# KiCad board JL_checkpoint.kicad_pcb (continued)
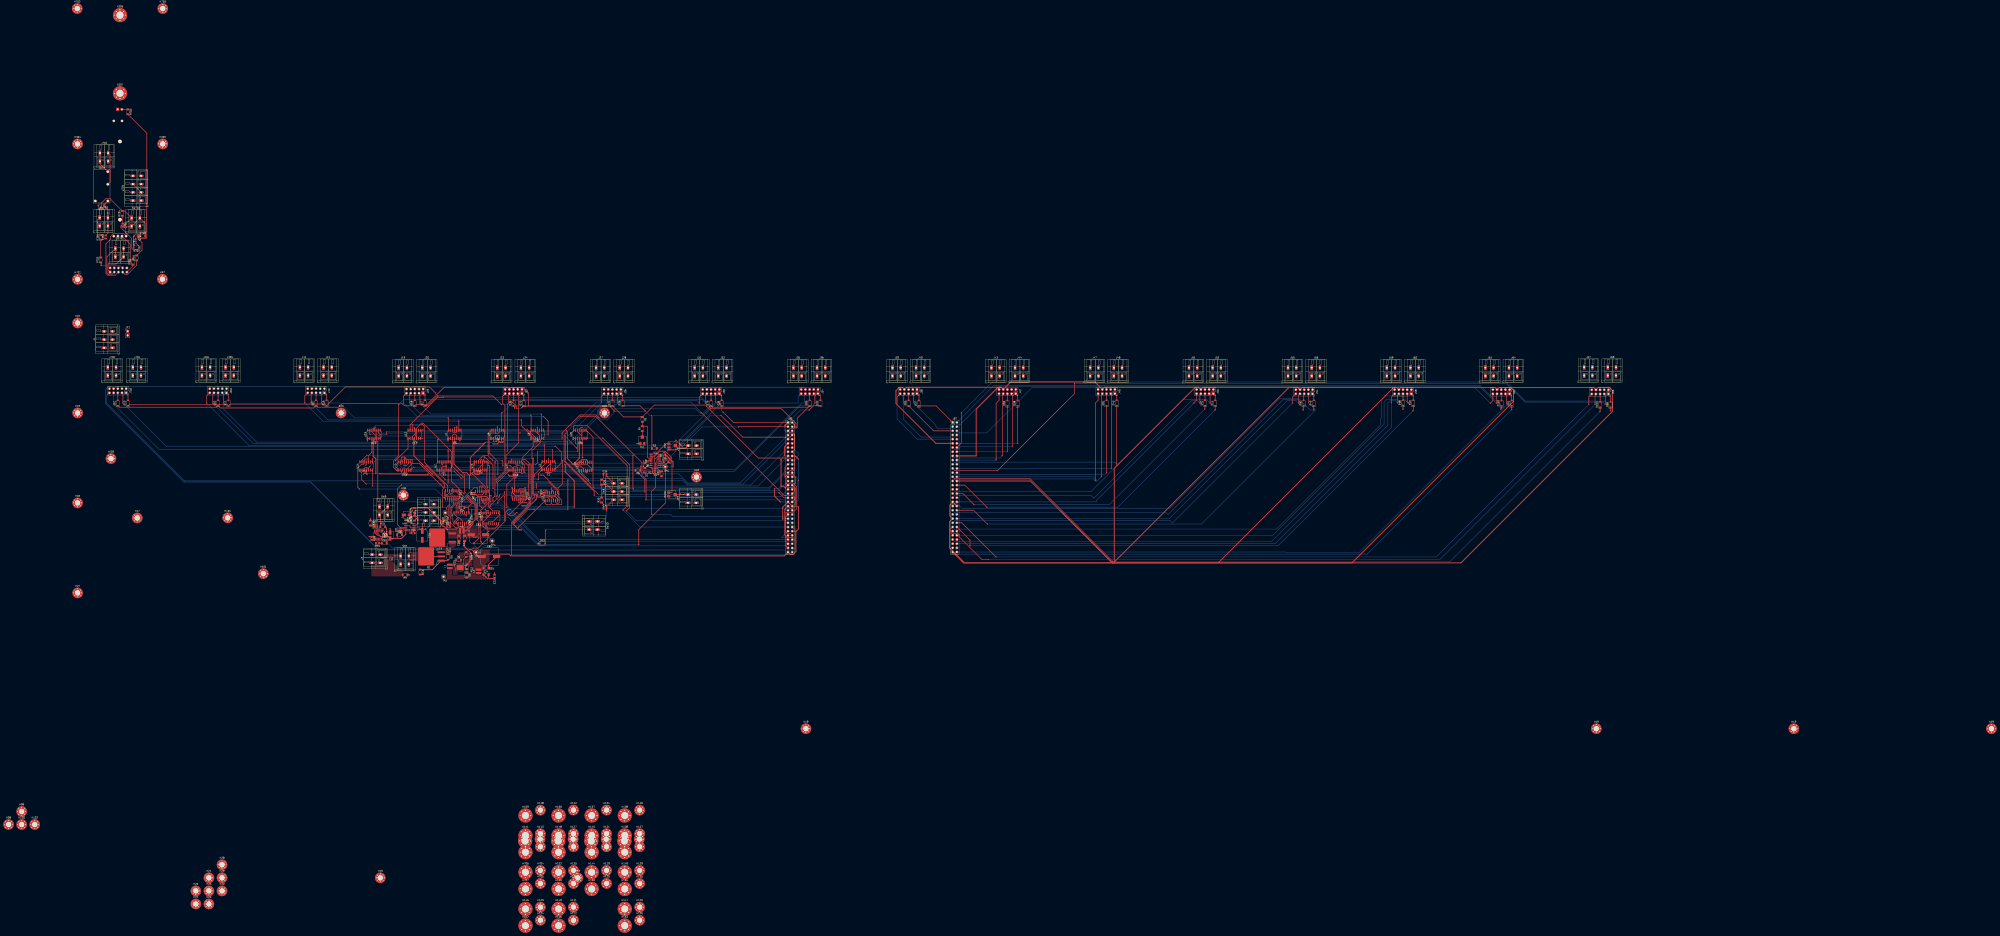
[diagram p0: board, top side]
## Placement (name value [footprint] x y rotation side) (continued)

## Library data of the parts
C1-C15 C17-C20 C22 C34 C36-C39 C82 C87-C89 = -: Description: Unpolarized capacitor
C16 = -: Description: Unpolarized capacitor; Digi-Key_PN: 1276-1079-1-ND; Manufacturer_PN: CL31A106KQHNNNE
C21 = -: Description: Unpolarized capacitor; Digi-Key_PN: 478-1542-1-ND; Manufacturer_PN: 12065C103KAT2A
C23 = -: Description: Unpolarized capacitor; Digi-Key_PN: 1276-2728-1-ND; Manufacturer_PN: CL31A226MOCLNNC
C24-C27 = -: Description: Unpolarized capacitor; Digi-Key_PN: 1276-1017-1-ND; Manufacturer_PN: CL31B104KBCNNNC
C35 C83-C86 = -: Description: Polarized capacitor
C701-C703 = -: Description: Unpolarized capacitor; Channel: 0
D1-D3 D10 D11 D16 D17 D23 D25 D26 D31 D32 D37 D38 D43 D44 D49 D50 D55 D56 D61 D62 D67 D68 D73 D74 D79 D80 D85 D86 D91 D92 D97 D98 D103 D104 = -: Description: Diode; Sim.Pins: 1=K 2=A
D4 = -: Description: ESD Protection Diode, SOD-523
D5 = -: Description: Schottky diode; Digi-Key_PN: BZT52C10-TPMSCT-ND; Manufacturer_PN: BZT52C10-TP
D6 = -: Description: Schottky diode; Digi-Key_PN: B230AF-13DICT-ND; Manufacturer_PN: B230AF-13
D7 D8 = -: Description: Light emitting diode; Digi-Key_PN: 160-1406-1-ND; Manufacturer_PN: LTST-C150KSKT
D21 D22 = -: Description: Light emitting diode
D701 D703 D704 = -: Description: Diode; Channel: 0; Sim.Pins: 1=K 2=A
D702 = -: Description: Light emitting diode; Channel: 0
H17 H18 H18#2 H18#3 H19 H19#2-H19#6 H20-H23 H23#2 H23#3 H24-H30 H97-H104 = -: Description: Mounting Hole without connection
H107 H108 H138 H154 = -: Description: Mounting Hole without connection; Channel: 2
H111 H112 H140 H156 = -: Description: Mounting Hole without connection; Channel: 3
H113 H114 H141 H157 = -: Description: Mounting Hole without connection; Channel: 4
H115 H116 H142 H158 = -: Description: Mounting Hole without connection; Channel: 5
H117 H118 H143 H159 = -: Description: Mounting Hole without connection; Channel: 6
H119 H120 H144 H160 = -: Description: Mounting Hole without connection; Channel: 7
H121 H122 H145 H161 = -: Description: Mounting Hole without connection; Channel: 8
H123 H124 H146 H162 = -: Description: Mounting Hole without connection; Channel: 9
H125 H126 H147 H163 = -: Description: Mounting Hole without connection; Channel: 10
H127 H128 H148 H164 = -: Description: Mounting Hole without connection; Channel: 11
H129 H130 H149 H165 = -: Description: Mounting Hole without connection; Channel: 12
H131 H132 H150 H166 = -: Description: Mounting Hole without connection; Channel: 13
H133 H134 H151 H167 = -: Description: Mounting Hole without connection; Channel: 14
H135 H136 H152 H168 = -: Description: Mounting Hole without connection; Channel: 15
H304-H307 = -: Description: Mounting Hole without connection; Channel: 1
H701-H707 = -: Description: Mounting Hole without connection; Channel: 0
J1 J69 = -: Description: Audio Jack, 2 Poles (Mono / TS)
J3 = -: Description: Generic screw terminal, single row, 01x02, script generated (kicad-library-utils/schlib/autogen/connector/)
J4 = -: Description: Generic screw terminal, single row, 01x03, script generated (kicad-library-utils/schlib/autogen/connector/)
J10 = -: Description: Generic connector, single row, 01x10, script generated (kicad-library-utils/schlib/autogen/connector/); Channel: 2
J11 J12 = -: Description: Generic screw terminal, single row, 01x02, script generated (kicad-library-utils/schlib/autogen/connector/); Channel: 2
J18 = -: Description: Generic connector, single row, 01x10, script generated (kicad-library-utils/schlib/autogen/connector/); Channel: 3
J19 J20 = -: Description: Generic screw terminal, single row, 01x02, script generated (kicad-library-utils/schlib/autogen/connector/); Channel: 3
J22 = -: Description: Generic connector, single row, 01x10, script generated (kicad-library-utils/schlib/autogen/connector/); Channel: 4
J23 J24 = -: Description: Generic screw terminal, single row, 01x02, script generated (kicad-library-utils/schlib/autogen/connector/); Channel: 4
J26 = -: Description: Generic connector, single row, 01x10, script generated (kicad-library-utils/schlib/autogen/connector/); Channel: 5
J27 J28 = -: Description: Generic screw terminal, single row, 01x02, script generated (kicad-library-utils/schlib/autogen/connector/); Channel: 5
J30 = -: Description: Generic connector, single row, 01x10, script generated (kicad-library-utils/schlib/autogen/connector/); Channel: 6
J31 J32 = -: Description: Generic screw terminal, single row, 01x02, script generated (kicad-library-utils/schlib/autogen/connector/); Channel: 6
J34 = -: Description: Generic connector, single row, 01x10, script generated (kicad-library-utils/schlib/autogen/connector/); Channel: 7
J35 J36 = -: Description: Generic screw terminal, single row, 01x02, script generated (kicad-library-utils/schlib/autogen/connector/); Channel: 7
J38 = -: Description: Generic connector, single row, 01x10, script generated (kicad-library-utils/schlib/autogen/connector/); Channel: 8
J39 J40 = -: Description: Generic screw terminal, single row, 01x02, script generated (kicad-library-utils/schlib/autogen/connector/); Channel: 8
J42 = -: Description: Generic connector, single row, 01x10, script generated (kicad-library-utils/schlib/autogen/connector/); Channel: 9
J43 J44 = -: Description: Generic screw terminal, single row, 01x02, script generated (kicad-library-utils/schlib/autogen/connector/); Channel: 9
J46 = -: Description: Generic connector, single row, 01x10, script generated (kicad-library-utils/schlib/autogen/connector/); Channel: 10
J47 J48 = -: Description: Generic screw terminal, single row, 01x02, script generated (kicad-library-utils/schlib/autogen/connector/); Channel: 10
J50 = -: Description: Generic connector, single row, 01x10, script generated (kicad-library-utils/schlib/autogen/connector/); Channel: 11
J51 J52 = -: Description: Generic screw terminal, single row, 01x02, script generated (kicad-library-utils/schlib/autogen/connector/); Channel: 11
J54 = -: Description: Generic connector, single row, 01x10, script generated (kicad-library-utils/schlib/autogen/connector/); Channel: 12
J55 J56 = -: Description: Generic screw terminal, single row, 01x02, script generated (kicad-library-utils/schlib/autogen/connector/); Channel: 12
J58 = -: Description: Generic connector, single row, 01x10, script generated (kicad-library-utils/schlib/autogen/connector/); Channel: 13
J59 J60 = -: Description: Generic screw terminal, single row, 01x02, script generated (kicad-library-utils/schlib/autogen/connector/); Channel: 13
J62 = -: Description: Generic connector, single row, 01x10, script generated (kicad-library-utils/schlib/autogen/connector/); Channel: 14
J63 J64 = -: Description: Generic screw terminal, single row, 01x02, script generated (kicad-library-utils/schlib/autogen/connector/); Channel: 14
J66 = -: Description: Generic connector, single row, 01x10, script generated (kicad-library-utils/schlib/autogen/connector/); Channel: 15
J67 J68 = -: Description: Generic screw terminal, single row, 01x02, script generated (kicad-library-utils/schlib/autogen/connector/); Channel: 15
J85 J87 = -: Description: Generic connector, double row, 02x32, odd/even pin numbering scheme (row 1 odd numbers, row 2 even numbers), script generated (kicad-library-utils/schlib/autogen/connector/)
J302 = -: Description: Generic connector, single row, 01x10, script generated (kicad-library-utils/schlib/autogen/connector/); Channel: 1
J304 J305 = -: Description: Generic screw terminal, single row, 01x02, script generated (kicad-library-utils/schlib/autogen/connector/); Channel: 1
J701 J702 = -: Description: Generic connector, single row, 01x10, script generated (kicad-library-utils/schlib/autogen/connector/); Channel: 0
J703-J705 = -: Description: Generic screw terminal, single row, 01x02, script generated (kicad-library-utils/schlib/autogen/connector/); Channel: 0
JP1 = -: Description: Jumper, 2-pole, open
K701 U701 = -: Channel: 0
L1 = -: Description: Inductor; Digi-Key_PN: 445-2026-1-ND; Manufacturer_PN: SLF7045T-4R7M2R0-PF
L2 L3 = -: Description: Inductor; Digi-Key_PN: 308-0640CDMCCDS-R15MCCT-ND; Manufacturer_PN: 0640CDMCCDS-R15MC
Q1 = -: Digi-Key_PN: IRF5305STRLPBFCT-ND; Manufacturer_PN: IRF5305STRLPBF
Q701 = -: Description: 0.8A Ic, 45V Vce, NPN Transistor, SOT-23; Channel: 0
R1-R7 R11-R13 R26-R34 = -: Description: Resistor, US symbol
R9 = -: Description: Resistor; Digi-Key_PN: RMCF1206ZT0R00CT-ND; Manufacturer_PN: RMCF1206ZT0R00
R10 = -: Description: Resistor; Digi-Key_PN: 311-100KERCT-ND; Manufacturer_PN: RC1206JR-07100KL
R701-R706 = -: Description: Resistor, US symbol; Channel: 0
RV1 RV2 RV5 RV20 = -: Description: Potentiometer, US symbol
RV701 = -: Description: Potentiometer, US symbol; Channel: 0
SW1 SW10 = -: Description: Single Pole Single Throw (SPST) switch
SW8 = -: Description: Switch, single pole double throw
SW9 = -: Description: Push button switch, generic, two pins
SW701 = -: Description: Push button switch, generic, two pins; Channel: 0
SW702 SW703 = -: Description: Single Pole Single Throw (SPST) switch; Channel: 0
TP1-TP5 = -: Description: test point
U1 U3 U4 U6 U7 U9 U10 U12 U14-U17 U20 = -: Description: Quad Low-Noise JFET-Input Operational Amplifiers, DIP-14/SOIC-14
U2 U5 U8 U11 U13 = -: Description: Quad And 2 inputs
U19 = -: Description: Positive 1.5A 35V Linear Regulator, Fixed Output 6V, TO-220/TO-263/TO-252
U23 U24 = -: Description: CMOS Timer, 555 compatible, SOIC-8
U25 U26 = -: Description: Johnson Counter ( 10 outputs )
U41 = -: Description: 5V, 1A Step-Down Voltage Regulator, SO-8

## Footprints (pads in the part's own frame, mm; a bottom-side part is the same pattern mirrored in y, then rotated)
C_0402_1005Metric
  rrect 0.56x0.62 smd: 1(-0.48,0) 2(0.48,0)
C_0805_2012Metric
  rrect 1x1.45 smd: 1(-0.95,0) 2(0.95,0)
C_1206_3216Metric_Pad1.33x1.80mm_HandSolder
  rrect 1.325x1.8 smd: 1(-1.562,0) 2(1.562,0)
CP_Elec_4x4.5
  rrect 2.6x1.6 smd: 1(-1.8,0) 2(1.8,0)
CP_Elec_6.3x7.7
  rrect 3.5x1.6 smd: 1(-2.7,0) 2(2.7,0)
CP_Elec_10x12.6
  rrect 4.4x1.9 smd: 1(-4.35,0) 2(4.35,0)
D_SOD-123
  rrect 0.9x1.2 smd: 1(-1.65,0) 2(1.65,0)
D_SOD-123F
  rrect 1.1x1.1 smd: 1(-1.4,0) 2(1.4,0)
D_SOD-523
  rrect 0.6x0.7 smd: 1(-0.7,0) 2(0.7,0)
L_Wuerth_MAPI-3015
  rect 1.3x3.4 smd: 1(-1.05,0) 2(1.05,0)
LED_1206_3216Metric_Pad1.42x1.75mm_HandSolder
  rrect 1.425x1.75 smd: 1(-1.488,0) 2(1.488,0)
LED_D5.0mm
  rect 1.8x1.8 hole 0.9: 1(0,0)
  round 1.8 hole 0.9: 2(2.54,0)
LED_Luminus_MP-3030-1100_3.0x3.0mm
  rect 1.3x1.9 smd: (-0.575,0)
  rect 0.4x1.9 smd: (1.075,0)
  rect 1.6x2.4 smd: 1(-0.575,0)
  rect 0.6x2.4 smd: 2(1.075,0)
  rect 0.6x0.5 smd: 2(1.375,0)
MountingHole_3.2mm_M3_Pad_Via
  round 0.8 hole 0.5: 1(-2.4,0) 1(-1.697,1.697) 1(-1.697,-1.697) 1(0,2.4) 1(0,-2.4) 1(1.697,1.697) 1(1.697,-1.697) 1(2.4,0)
  round 6.4 hole 3.2: 1(0,0)
MountingHole_4.3mm_M4_Pad_Via
  round 0.9 hole 0.6: 1(-3.225,0) 1(-2.28,2.28) 1(-2.28,-2.28) 1(0,3.225) 1(0,-3.225) 1(2.28,2.28) 1(2.28,-2.28) 1(3.225,0)
  round 8.6 hole 4.3: 1(0,0)
PinHeader_1x02_P2.54mm_Vertical
  rect 1.7x1.7 hole 1: 1(0,0)
  oval 1.7x1.7 hole 1: 2(0,-2.54)
PinHeader_2x32_P2.54mm_Vertical
  rect 1.7x1.7 hole 1: 1(0,0)
  oval 1.7x1.7 hole 1: 2(2.54,0) 3(0,-2.54) 4(2.54,-2.54) 5(0,-5.08) 6(2.54,-5.08) 7(0,-7.62) 8(2.54,-7.62) 9(0,-10.16) 10(2.54,-10.16) 11(0,-12.7) 12(2.54,-12.7) 13(0,-15.24) 14(2.54,-15.24) 15(0,-17.78) 16(2.54,-17.78) 17(0,-20.32) 18(2.54,-20.32) 19(0,-22.86) 20(2.54,-22.86) 21(0,-25.4) 22(2.54,-25.4) 23(0,-27.94) 24(2.54,-27.94) 25(0,-30.48) 26(2.54,-30.48) 27(0,-33.02) 28(2.54,-33.02) 29(0,-35.56) 30(2.54,-35.56) 31(0,-38.1) 32(2.54,-38.1) 33(0,-40.64) 34(2.54,-40.64) 35(0,-43.18) 36(2.54,-43.18) 37(0,-45.72) 38(2.54,-45.72) 39(0,-48.26) 40(2.54,-48.26) 41(0,-50.8) 42(2.54,-50.8) 43(0,-53.34) 44(2.54,-53.34) 45(0,-55.88) 46(2.54,-55.88) 47(0,-58.42) 48(2.54,-58.42) 49(0,-60.96) 50(2.54,-60.96) 51(0,-63.5) 52(2.54,-63.5) 53(0,-66.04) 54(2.54,-66.04) 55(0,-68.58) 56(2.54,-68.58) 57(0,-71.12) 58(2.54,-71.12) 59(0,-73.66) 60(2.54,-73.66) 61(0,-76.2) 62(2.54,-76.2) 63(0,-78.74) 64(2.54,-78.74)
PinSocket_2x05_P2.54mm_Vertical
  rect 1.7x1.7 hole 1: 1(0,0)
  oval 1.7x1.7 hole 1: 2(-2.54,0) 3(0,-2.54) 4(-2.54,-2.54) 5(0,-5.08) 6(-2.54,-5.08) 7(0,-7.62) 8(-2.54,-7.62) 9(0,-10.16) 10(-2.54,-10.16)
POT_SEGOR_10K
  round 1.7 hole 1.2: 1(-35,1.25) 2(-35,3.75) 3(35,1.25) L(-35,-3.75) L(-35,-1.25) L(35,-3.75)
  round 2.4 hole 2: L(-25,0) L(22.5,0)
Potentiometer_Bourns_3314J_Vertical
  rrect 1.3x2 smd: 1(-1.15,2) 3(1.15,2)
  rrect 2x2 smd: 2(0,-2)
R_1206_3216Metric
  rrect 1.125x1.75 smd: 1(-1.462,0) 2(1.462,0)
RELAY_ALQ3_PAN
  round 1.803 hole 1.295: 1(-5.08,7.62) 2(2.54,7.62) 3(-5.08,-2.54) 4(-5.08,-10.16)
SOIC-8_3.9x4.9mm_P1.27mm
  rrect 1.95x0.6 smd: 1(-2.475,1.905) 2(-2.475,0.635) 3(-2.475,-0.635) 4(-2.475,-1.905) 5(2.475,-1.905) 6(2.475,-0.635) 7(2.475,0.635) 8(2.475,1.905)
SOIC-14_3.9x8.7mm_P1.27mm
  rrect 1.95x0.6 smd: 1(-2.475,3.81) 2(-2.475,2.54) 3(-2.475,1.27) 4(-2.475,0) 5(-2.475,-1.27) 6(-2.475,-2.54) 7(-2.475,-3.81) 8(2.475,-3.81) 9(2.475,-2.54) 10(2.475,-1.27) 11(2.475,0) 12(2.475,1.27) 13(2.475,2.54) 14(2.475,3.81)
SOP-16_4.55x10.3mm_P1.27mm
  rrect 1.6x0.6 smd: 1(-3.25,4.445) 2(-3.25,3.175) 3(-3.25,1.905) 4(-3.25,0.635) 5(-3.25,-0.635) 6(-3.25,-1.905) 7(-3.25,-3.175) 8(-3.25,-4.445) 9(3.25,-4.445) 10(3.25,-3.175) 11(3.25,-1.905) 12(3.25,-0.635) 13(3.25,0.635) 14(3.25,1.905) 15(3.25,3.175) 16(3.25,4.445)
SOT-23
  rrect 1.475x0.6 smd: 1(-0.938,0.95) 2(-0.938,-0.95) 3(0.938,0)
TerminalBlock_WAGO_236-402_1x02_P5.00mm_45Degree
  rect 1.5x3 hole 1.15: 1(0,0) 1(0,-5)
  oval 1.5x3 hole 1.15: 2(5,0) 2(5,-5)
TerminalBlock_WAGO_236-403_1x03_P5.00mm_45Degree
  rect 1.5x3 hole 1.15: 1(0,0) 1(0,-5)
  oval 1.5x3 hole 1.15: 2(5,0) 2(5,-5) 3(10,0) 3(10,-5)
TerminalBlock_WAGO_236-404_1x04_P5.00mm_45Degree
  rect 1.5x3 hole 1.15: 1(0,0) 1(0,-5)
  oval 1.5x3 hole 1.15: 2(5,0) 2(5,-5) 3(10,0) 3(10,-5) 4(15,0) 4(15,-5)
TestPoint_Loop_D1.80mm_Drill1.0mm_Beaded
  round 2 hole 1: 1(0,0)
TO-263-2
  rrect 4.6x1.1 smd: 1(-7.65,2.54) 3(-7.65,-2.54)
  rrect 4.55x5.25 smd: 2(-0.925,2.775) 2(-0.925,-2.775) 2(3.925,2.775) 2(3.925,-2.775)
  rrect 9.4x10.8 smd: 2(1.5,0)
TO-263-3_TabPin2
  rrect 4.6x1.1 smd: 1(-7.65,2.54) 2(-7.65,0) 3(-7.65,-2.54)
  rrect 4.55x5.25 smd: 2(-0.925,2.775) 2(-0.925,-2.775) 2(3.925,2.775) 2(3.925,-2.775)
  rrect 9.4x10.8 smd: 2(1.5,0)
WSON-16-1EP_5.0x5.0mm_P0.5mm_EP2.6x2.6mm
  rect 1.05x1.05 smd: (-0.8,-0.8) (-0.65,0.65) (0.65,0.65) (0.65,-0.65)
  rect 0.6x0.25 smd: 1(-2.2,1.5) 2(-2.2,1) 3(-2.2,0.5) 4(-2.2,0) 5(-2.2,-0.5) 6(-2.2,-1) 7(-2.2,-1.5) 8(-2.2,-2) 9(2.2,-2) 10(2.2,-1.5) 11(2.2,-1) 12(2.2,-0.5) 13(2.2,0) 14(2.2,0.5) 15(2.2,1) 16(2.2,1.5)
  rect 3.2x4 smd: DAP(0,-0.3)

## Nets
+6V: C1.2 C2.2 C3.1 C4.2 C5.1 C6.2 C7.2 C8.1 C9.2 C10.2 C11.1 C12.2 C13.1 C14.2 C15.2 C17.2 C18.2 C20.2 C27.1 C82.2 C83.1 C84.1 C86.1 C87.2 C88.2 C89.2 L3.2 R5.2 R27.2 R31.2 R33.2 TP4.1 U1.4 U2.4 U2.5 U2.9 U2.10 U2.12 U2.13 U2.14 U3.4 U4.4 U5.14 U6.4 U7.4 U8.14 U9.4 U10.4 U11.14 U12.4 U13.14 U14.4 U15.4 U16.4 U17.4 U20.4 U23.4 U23.8 U24.4 U24.8 U25.16 U26.16
+12V: C16.1 C19.1 D5.1 Q1.3 R11.2 U19.1 U41.14
/Power Supply/5VA Unfiltered: C23.1 C24.1 D8.2 L1.2 L2.1 TP2.1 U41.8
GND: C1.1 C2.1 C3.2 C4.1 C5.2 C6.1 C7.1 C8.2 C9.1 C10.1 C11.2 C12.1 C13.2 C14.1 C15.1 C16.2 C17.1 C18.1 C19.2 C20.1 C22.2 C23.2 C24.2 C25.2 C26.2 C27.2 C34.1 C35.2 C38.1 C39.2 C82.1 C83.2 C84.2 C85.2 C86.2 C87.1 C88.1 C89.1 D6.2 J1.1 J10.2 J10.4 J10.6 J10.10 J18.2 J18.4 J18.6 J18.10 J22.2 J22.4 J22.6 J22.10 J26.2 J26.4 J26.6 J26.10 J30.2 J30.4 J30.6 J30.10 J34.2 J34.4 J34.6 J34.10 J38.2 J38.4 J38.6 J38.10 J42.2 J42.4 J42.6 J42.10 J46.2 J46.4 J46.6 J46.10 J50.2 J50.4 J50.6 J50.10 J54.2 J54.4 J54.6 J54.10 J58.2 J58.4 J58.6 J58.10 J62.2 J62.4 J62.6 J62.10 J66.2 J66.4 J66.6 J66.10 J69.1 J85.6 J85.10 J85.15 J85.19 J85.22 J85.26 J85.34 J85.35 J85.38 J85.43 J85.46 J85.55 J85.58 J85.59 J85.62 J302.2 J302.4 J302.6 J302.10 J702.2 J702.4 J702.6 J702.10 JP1.2 R1.1 R6.1 R7.1 R9.1 R10.2 R12.1 R13.1 R26.1 R32.1 RV1.3 SW9.1 U1.11 U2.7 U3.11 U4.11 U5.7 U6.11 U7.11 U8.7 U9.11 U10.11 U11.7 U12.11 U13.7 U14.11 U15.11 U16.11 U17.11 U19.2 U20.11 U23.1 U24.1 U25.8 U25.13 U26.8 U26.13 U41.11 U41.12 U41.DAP
*CV_8: J85.9 U12.1 U12.2
*CV_9: J85.20 U12.13 U12.14
*CV_10: J85.29 U14.8 U14.9
*CV_11: J85.40 U15.6 U15.7
*CV_12: J85.49 U16.1 U16.2
*CV_13: J85.60 U16.13 U16.14
*CV_14: J85.7 U17.8 U17.9
*CV_15: J85.50 U20.6 U20.7
*GATE_8: J85.4 U12.6 U12.7
*GATE_9: J85.13 U14.1 U14.2
*GATE_10: J85.24 U14.13 U14.14
*GATE_11: J85.33 U15.8 U15.9
*GATE_12: J85.44 U16.6 U16.7
*GATE_13: J85.53 U17.1 U17.2
*GATE_14: J85.64 U17.13 U17.14
*GATE_15: J85.23 U20.8 U20.9
*RELAYS_8: J85.8 U12.8 U12.9
*RELAYS_9: J85.17 U14.6 U14.7
*RELAYS_10: J85.28 U15.1 U15.2
*RELAYS_11: J85.37 U15.13 U15.14
*RELAYS_12: J85.48 U16.8 U16.9
*RELAYS_13: J85.57 U17.6 U17.7
*RELAYS_14: J85.3 U20.1 U20.2
*RELAYS_15: J85.51 U20.13 U20.14
/CascadeCounters-CommonOutputs/EIGHT: U8.2 U25.9
/CascadeCounters-CommonOutputs/FIVE: U8.5 U13.13 U25.1
/CascadeCounters-CommonOutputs/FOUR: U5.2 U13.10 U25.10
/CascadeCounters-CommonOutputs/NINE: U11.5 U25.11
/CascadeCounters-CommonOutputs/ONE: U5.5 U11.13 U25.2
/CascadeCounters-CommonOutputs/RESET_COUNTERS: D23.1 R34.1 U25.15 U26.15
/CascadeCounters-CommonOutputs/SEVEN: U8.13 U25.6
/CascadeCounters-CommonOutputs/SIX: U8.10 U11.2 U25.5
/CascadeCounters-CommonOutputs/TENS: U11.1 U11.9 U11.12 U13.1 U13.4 U13.9 U13.12 U26.2
/CascadeCounters-CommonOutputs/THREE: U5.13 U13.5 U25.7
/CascadeCounters-CommonOutputs/TWO: U5.10 U13.2 U25.4
/CascadeCounters-CommonOutputs/ZERO: U2.2 U11.10 U25.3 U26.14
/CascadeCounters-CommonOutputs/ZEROES: U2.1 U5.1 U5.4 U5.9 U5.12 U8.1 U8.4 U8.9 U8.12 U11.4 U26.3
/CV_OP-AMP_NON-INV: R2.2 R4.2 U1.3
/CV_OP-AMP_OUT: RV2.3 U1.1 U1.2
/module-master/A_to_ALQ305_0: C703.2 D704.1 K701.1 SW703.2
/module-master/E_to_R_0: D703.2 Q701.2 R703.2
/module-master/R_to_B_0: Q701.1 R701.2
/module-master/R_to_C_0: C701.1 C701.2 D703.1 Q701.3 R702.2 R704.2 R705.1 SW702.1 SW703.1
/module-master/R_to_KLED_0: D702.2 R703.1
/module-master/SHUNT_1_0: C702.1 R704.1
/module-master/SHUNT_2_0: C703.1 R705.2
/module-master/SW_to_AQ-A_IN_0: C702.2 R706.2 SW702.2 U701.3
/Power Supply/LDO_LED_K: D7.1 R12.2
/Power Supply/POL-FET-D: Q1.2 SW1.2
/Power Supply/POL-FET-G: D5.2 Q1.1 R10.1
/Power Supply/PowerIn+: D4.1 J3.2 SW1.1
/Power Supply/PowerIn-: D4.2 J3.1 R9.2
/Power Supply/SW-REG_CB: C21.1 U41.1
/Power Supply/SW-REG_LED_K: D8.1 R13.2
/Power Supply/SW-REG_ON: R11.1 U41.9
/Power Supply/SW_REG_L: C21.2 D6.1 L1.1 U41.15 U41.16
/Power Supply/Unfiltered-6V: C22.1 C26.1 D7.2 L3.1 TP1.1 U19.3
/Timers/555-R-POT: R28.1 RV5.2
/Timers/555_2-6: C35.1 RV5.1 U23.2 U23.6
/Timers/555_5: C34.2 U23.5
/Timers/555_DIS: R27.1 R28.2 U23.7
/Timers/555_LED-K: D21.1 R26.2
/Timers/555M_5: C38.2 U24.5
/Timers/555M_DIS: C39.1 R33.1 U24.6 U24.7
/Timers/555M_LED-K: D22.1 R32.2
/Timers/ASTABLE_CLOCK_SWITCH: C36.2 D21.2 SW8.3 U23.3
/Timers/MONOSTABLE_CLOCK_SWITCH: C37.2 D22.2 SW8.1 U24.3
_5VA_0: J701.8 R702.1
_CV_0: D701.1 J701.9 RV701.1
_CV_OUTPUT_0: J701.5 RV701.2
_GATE_0: J701.3 SW701.1
_GATE_OUTPUT_0: J701.1 SW701.2
_GND_0: D701.2 D702.1 D704.2 J701.2 J701.4 J701.6 J701.10 K701.2 R706.1 RV701.3 U701.4
_RELAYS_0: J701.7 R701.1
CHAN_0: U2.3 U3.3 U3.5 U3.10
CHAN_1: U3.12 U4.3 U4.5 U5.6
CHAN_2: U4.10 U4.12 U5.8 U6.3
CHAN_3: U5.11 U6.5 U6.10 U6.12
CHAN_4: U5.3 U7.3 U7.5 U7.10
CHAN_5: U7.12 U8.6 U9.3 U9.5
CHAN_6: U8.8 U9.10 U9.12 U10.3
CHAN_7: U8.11 U10.5 U10.10 U10.12
CHAN_8: SW10.1 U8.3 U12.3 U12.5 U12.10
CHAN_9: U11.6 U12.12 U14.3 U14.5
CHAN_10: U11.8 U14.10 U14.12 U15.3
CHAN_11: U11.11 U15.5 U15.10 U15.12
CHAN_12: U13.3 U16.3 U16.5 U16.10
CHAN_13: U13.6 U16.12 U17.3 U17.5
CHAN_14: U13.8 U17.10 U17.12 U20.3
CHAN_15: U13.11 U20.5 U20.10 U20.12
CLK: D2.1 TP5.1 U1.8 U1.9 U25.14
CLOCK: D1.2 R29.2 R30.2 SW8.2
CV_0: J702.9 U3.1 U3.2
CV_1: J302.9 U3.13 U3.14
CV_2: J10.9 U4.8 U4.9
CV_3: J18.9 U6.6 U6.7
CV_4: J22.9 U7.1 U7.2
CV_5: J26.9 U7.13 U7.14
CV_6: J30.9 U9.8 U9.9
CV_7: J34.9 U10.6 U10.7
CV_8: J38.9 J87.9
CV_9: J42.9 J87.20
CV_10: J46.9 J87.29
CV_11: J50.9 J87.40
CV_12: J54.9 J87.49
CV_13: J58.9 J87.60
CV_14: J62.9 J87.7
CV_15: J66.9 J87.50
CV_CommonChannelOutput: D61.1 D62.1 D67.1 D68.1 D73.1 D74.1 D79.1 D80.1 J85.2 J85.5 J85.16 J85.25 J85.27 J85.36 J85.45 J85.56 R2.1
CV_OUT: J1.2 RV2.2
CV_OUTPUT_0: D61.2 J702.5
CV_OUTPUT_1: D62.2 J302.5
CV_OUTPUT_2: D67.2 J10.5
CV_OUTPUT_3: D68.2 J18.5
CV_OUTPUT_4: D73.2 J22.5
CV_OUTPUT_5: D74.2 J26.5
CV_OUTPUT_6: D79.2 J30.5
CV_OUTPUT_7: D80.2 J34.5
CV_OUTPUT_8: D85.2 J38.5
CV_OUTPUT_9: D86.2 J42.5
CV_OUTPUT_10: D91.2 J46.5
CV_OUTPUT_11: D92.2 J50.5
CV_OUTPUT_12: D97.2 J54.5
CV_OUTPUT_13: D98.2 J58.5
CV_OUTPUT_14: D103.2 J62.5
CV_OUTPUT_15: D104.2 J66.5
Earth_Protective: J4.3 JP1.1
GATE: J69.2 RV20.2
GATE_0: J702.3 U3.6 U3.7
GATE_1: J302.3 U4.1 U4.2
GATE_2: J10.3 U4.13 U4.14
GATE_3: J18.3 U6.8 U6.9
GATE_4: J22.3 U7.6 U7.7
GATE_5: J26.3 U9.1 U9.2
GATE_6: J30.3 U9.13 U9.14
GATE_7: J34.3 U10.8 U10.9
GATE_8: J38.3 J87.4
GATE_9: J42.3 J87.13
GATE_10: J46.3 J87.24
GATE_11: J50.3 J87.33
GATE_12: J54.3 J87.44
GATE_13: J58.3 J87.53
GATE_14: J62.3 J87.64
GATE_15: J66.3 J87.23
GATE_CommonChannelOutput: D10.1 D11.1 D16.1 D17.1 D25.1 D26.1 D31.1 D32.1 J85.1 J85.12 J85.14 J85.21 J85.32 J85.41 J85.52 J85.61 R3.1
GATE_OUTPUT_0: D10.2 J702.1
GATE_OUTPUT_1: D11.2 J302.1
GATE_OUTPUT_2: D16.2 J10.1
GATE_OUTPUT_3: D17.2 J18.1
GATE_OUTPUT_4: D25.2 J22.1
GATE_OUTPUT_5: D26.2 J26.1
GATE_OUTPUT_6: D31.2 J30.1
GATE_OUTPUT_7: D32.2 J34.1
GATE_OUTPUT_8: D37.2 J38.1
GATE_OUTPUT_9: D38.2 J42.1
GATE_OUTPUT_10: D43.2 J46.1
GATE_OUTPUT_11: D44.2 J50.1
GATE_OUTPUT_12: D49.2 J54.1
GATE_OUTPUT_13: D50.2 J58.1
GATE_OUTPUT_14: D55.2 J62.1
GATE_OUTPUT_15: D56.2 J66.1
LINE: J4.2 J11.2 J12.2 J19.2 J20.2 J23.2 J24.2 J27.2 J28.2 J31.2 J32.2 J35.2 J36.2 J39.2 J40.2 J43.2 J44.2 J47.2 J48.2 J51.2 J52.2 J55.2 J56.2 J59.2 J60.2 J63.2 J64.2 J67.2 J68.2 J304.2 J305.2 J704.2 J705.2
NEUT: J4.1 J11.1 J12.1 J19.1 J20.1 J23.1 J24.1 J27.1 J28.1 J31.1 J32.1 J35.1 J36.1 J39.1 J40.1 J43.1 J44.1 J47.1 J48.1 J51.1 J52.1 J55.1 J56.1 J59.1 J60.1 J63.1 J64.1 J67.1 J68.1 J304.1 J305.1 J704.1 J705.1
RELAYS_0: J702.7 U3.8 U3.9
RELAYS_1: J302.7 U4.6 U4.7
RELAYS_2: J10.7 U6.1 U6.2
RELAYS_3: J18.7 U6.13 U6.14
RELAYS_4: J22.7 U7.8 U7.9
RELAYS_5: J26.7 U9.6 U9.7
RELAYS_6: J30.7 U10.1 U10.2
RELAYS_7: J34.7 U10.13 U10.14
RELAYS_8: J38.7 J87.8
RELAYS_9: J42.7 J87.17
RELAYS_10: J46.7 J87.28
RELAYS_11: J50.7 J87.37
RELAYS_12: J54.7 J87.48
RELAYS_13: J58.7 J87.57
RELAYS_14: J62.7 J87.3
RELAYS_15: J66.7 J87.51
SECONDARY_5VA: C25.1 C85.1 J10.8 J18.8 J22.8 J26.8 J30.8 J34.8 J38.8 J42.8 J46.8 J50.8 J54.8 J58.8 J62.8 J66.8 J85.11 J85.18 J85.30 J85.31 J85.39 J85.42 J85.47 J85.54 J85.63 J87.11 J87.18 J87.30 J87.31 J87.39 J87.42 J87.47 J87.54 J87.63 J302.8 J702.8 L2.2 TP3.1
SECONDARY_GND: J87.6 J87.10 J87.15 J87.19 J87.22 J87.26 J87.34 J87.35 J87.38 J87.43 J87.46 J87.55 J87.58 J87.59 J87.62
Net-(C36-Pad1): C36.1 R29.1
Net-(C37-Pad1): C37.1 R30.1
Net-(D1-K): D1.1 R1.2 U1.10
Net-(D2-A): D2.2 R3.2 U1.5
Net-(D3-A): D3.2 U1.7
Net-(D3-K): D3.1 R7.2 U1.12
Net-(D23-A): D23.2 SW10.2
Net-(D37-K): D37.1 J87.1
Net-(D38-K): D38.1 J87.12
Net-(D43-K): D43.1 J87.21
Net-(D44-K): D44.1 J87.32
Net-(D49-K): D49.1 J87.41
Net-(D50-K): D50.1 J87.52
Net-(D55-K): D55.1 J87.61
Net-(D56-K): D56.1 J87.14
Net-(D85-K): D85.1 J87.5
Net-(D86-K): D86.1 J87.16
Net-(D91-K): D91.1 J87.25
Net-(D92-K): D92.1 J87.36
Net-(D97-K): D97.1 J87.45
Net-(D98-K): D98.1 J87.56
Net-(D103-K): D103.1 J87.2
Net-(D104-K): D104.1 J87.27
Net-(J703-Pin_1): J703.1 K701.4
Net-(J703-Pin_2): J703.2 K701.3
Net-(R4-Pad1): R4.1 RV1.2
Net-(R34-Pad2): R34.2 U11.3
Net-(U1B--): R5.1 R6.2 U1.6
Net-(U1D--): RV20.3 U1.13 U1.14
Net-(U24-TR): R31.1 SW9.2 U24.2

Pads without a net: H17 1; H18 1; H18#2 1; H18#3 1; H19 1; H19#2 1; H19#3 1; H19#4 1; H19#5 1; H19#6 1; H20 1; H21 1; H22 1; H23 1; H23#2 1; H23#3 1; H24 1; H25 1; H26 1; H27 1; H28 1; H29 1; H30 1; H97 1; H98 1; H99 1; H100 1; H101 1; H102 1; H103 1; H104 1; H107 1; H108 1; H111 1; H112 1; H113 1; H114 1; H115 1; H116 1; H117 1; H118 1; H119 1; H120 1; H121 1; H122 1; H123 1; H124 1; H125 1; H126 1; H127 1; H128 1; H129 1; H130 1; H131 1; H132 1; H133 1; H134 1; H135 1; H136 1; H138 1; H140 1; H141 1; H142 1; H143 1; H144 1; H145 1; H146 1; H147 1; H148 1; H149 1; H150 1; H151 1; H152 1; H154 1; H156 1; H157 1; H158 1; H159 1; H160 1; H161 1; H162 1; H163 1; H164 1; H165 1; H166 1; H167 1; H168 1; H304 1; H305 1; H306 1; H307 1; H701 1; H702 1; H703 1; H704 1; H705 1; H706 1; H707 1; RV1 1; RV2 1; RV5 3; RV20 1; RV701 L; U2 6 8 11; U25 12; U26 1 4 5 6 7 9 10 11 12; U41 2 3 4 5 6 7 10 13; U701 1 2

## Via types
v1: diameter 0.55, hole 0.25, Top to Bottom, 81 vias
v2: diameter 0.8, hole 0.4, Top to Bottom, 21 vias
v3: diameter 0.7, hole 0.3, Top to Bottom, 307 vias

## Routing (per net, layer and track width the routed paths; a pad name or vN(x,y) marks a point on that pad's centre or on a via; arc(x,y) is an arc through that point)
+6V: length 709.7
  Top w0.3: 216.92,275.02 217.19,275.3 U14.4 ; U4.4 270.69,295.77 C4.2 ; C9.2 297.44,295.52 U9.4
  Top w0.349: U2.10 U2.9 ; U2.13 U2.12 ; C1.2 327.52,276.61 U3.4 ; 286.27,274.98 286.27,276.36 U16.4 ; C2.2 389.73,282.71 U1.4 ; U2.14 345.9,281.48 C3.1 ; U10.4 240.44,275.23 C10.2 ; U24.8 227.76,236.35 C87.2 230.66,236.35 C86.1 229.69,233.18 R33.2 ; C20.2 346.63,295.71 U20.4 ; C18.2 307.69,275.12 U17.4 ; U2.4 U2.5 ; C7.2 264.44,275.25 U7.4 ; C88.2 280.88,245.48
  Top w0.5: C18.2 307.6,273.96 306.79,273.15 304.29,273.15 v3(303.61,273.82) ; 287.37,275.14 287.21,274.98 C17.2 286.25,274.67 285.66,274.07 283.91,274.07 282.89,275.1 281.57,275.1 280.43,273.96 ; 287.37,275.14 286.69,275.82 U16.4 ; 287.37,275.14 v3(287.64,274.88) ; v3(342.96,280.23) 346.63,283.89 C20.2 ; v3(342.96,280.23) 339.41,283.78 v3(339.41,294.38) ; v3(342.96,280.23) 343.69,280.95 C3.1 ; v3(311.31,240.43) 310.05,240.43 306.34,244.15 306.34,244.9 320.51,259.07 v3(320.51,261.5) ; C13.1 324.63,263.19 324.81,263.38 ; C13.1 324.45,262.77 324.19,262.77 323.01,261.6 v3(323.01,261.48) ; C13.1 324.9,263.23 U13.14 ; v3(294.34,292.65) 296.84,292.65 v2(298.26,294.07) ; v3(337.99,280.05) 338.14,279.9 v3(338.14,275.65) 343.56,270.23 v3(343.56,254.37) ; v3(243.69,240.5) 243.57,240.38 U23.4 241.29,237.85 238.68,235.25 C86.1 229.49,237.52 229.49,241.59 R31.2 ; U8.14 282.89,262.99 C8.1 282.34,263.02 281.29,263.02 ; 279.96,273.49 278.28,275.18 v3(275.76,275.18) 270.49,280.45 v2(270.49,293.62) ; 279.96,273.49 280.43,273.96 ; 279.96,273.49 v3(279.96,265.56) ; v3(263.29,274.95) 264.14,274.95 C7.2 ; U25.16 280.44,245.48 C88.2 ; C1.2 327.47,275.27 v3(326.41,275.27) ; 274.85,260.11 274.84,260.12 v1(274.82,260.12) 274.79,260.09 C11.1 273.41,259.27 U11.14 ; v3(223.09,274.65) 223.09,283.6 221.42,285.27 C15.2 221.42,294.58 221.94,295.11 U15.4 ; v2(278.56,260.42) 278.72,260.42 280.46,258.68 ; C88.2 281.5,245.48 282,244.98 282,244.11 277.76,239.88 L3.2 276.31,241.31 274.98,242.65 273.79,242.65 272.04,240.9 266.07,240.9 264.33,242.65 263.85,242.65 262.61,243.89 262.61,245.86 v3(260.83,247.64) 254.69,253.79 R27.2 244.72,253.79 243.76,252.82 C84.1 243.76,246.79 C82.2 244.51,244.35 244.39,244.23 244.42,244.19 U23.8 ; C88.2 282.32,245.48 283.38,246.55 v1(283.38,250.47) 283.38,255.75 280.46,258.68 ; v2(298.26,294.07) 298.08,294.25 C9.2 ; v2(298.26,294.07) 298.93,293.4 299.79,293.4 300.48,294.1 v3(300.48,294.3) ; U2.10 351.71,282.45 351.16,283 348.15,283 U2.14 U2.12 ; 222.45,239.8 222.45,238.82 224.03,237.25 224.94,237.25 225.84,236.35 C87.2 ; v1(283.89,236) 282.51,236 C83.1 ; 280.46,258.68 v1(280.46,258.75) ; C4.2 270.69,293.82 v2(270.49,293.62) ; U2.4 350.81,276.15 350.81,275.52 350.83,275.52 v3(351.09,275.27) 351.71,275.89 U2.5 ; U12.4 246.17,295.75 C12.2 246.17,285.51 257.33,274.35 v3(257.41,274.35) ; v3(311.79,255.12) 314.61,255.12 316.21,256.73 v3(316.21,258.82) 315.49,259.55 C5.1 314.48,259.02 U5.14 ; U6.4 321.37,295.84 C6.2 322.34,294.02 v3(322.46,294.15) ; v1(287.15,251.38) 287.15,250.27 C89.2 287.71,250.75 U26.16 ; 280.43,273.96 280.43,284.34 v3(289.71,293.62) 288.81,292.73 271.36,292.73 270.49,293.6 v2(270.49,293.62) ; v3(217.76,274.32) 217.59,274.32 C14.2 ; v3(254.81,274.35) 254.39,273.93 240.93,273.93 240.19,274.67 C10.2 239.69,274.48 225.74,274.48 v3(225.56,274.65)
  Bottom w0.5: v3(316.21,258.82) 316.21,259.12 318.59,261.5 v3(320.51,261.5) 322.99,261.5 v3(323.01,261.48) ; v3(300.48,294.3) 300.96,294.77 321.84,294.77 v3(322.46,294.15) 339.18,294.15 v3(339.41,294.38) ; v3(303.61,273.82) 302.56,274.88 v3(287.64,274.88) ; v3(343.56,254.37) 312.54,254.37 v3(311.79,255.12) ; v3(337.99,280.05) 338.16,280.23 v3(342.96,280.23) ; v3(217.76,274.32) 218.09,274.65 v3(223.09,274.65) v3(225.56,274.65) ; v3(311.31,240.43) 311.19,240.55 288.44,240.55 v1(283.89,236) 291.44,236 TP4.1 ; v1(283.38,250.47) 286.25,250.47 v1(287.15,251.38) ; v3(275.76,275.18) 276.14,274.8 276.14,274.15 264.11,274.15 263.31,274.95 v3(263.29,274.95) 262.69,274.35 v3(257.41,274.35) v3(254.81,274.35) ; v2(278.56,260.42) 278.57,260.4 279.54,260.4 280.41,261.27 280.41,262.18 281.26,263.02 281.29,263.02 ; v3(279.96,265.56) 281.31,264.21 v1(281.31,263) ; v1(274.82,260.12) 274.82,259.91 276.91,257.82 278.94,257.82 279.86,258.75 v1(280.46,258.75) ; v3(351.09,275.27) 350.71,275.65 v3(338.14,275.65) 337.76,276.02 327.16,276.02 v3(326.41,275.27) ; v3(260.83,247.64) 260.33,247.64 253.19,240.5 v3(243.69,240.5) ; v3(289.71,293.62) 293.36,293.62 v3(294.34,292.65)
